# Altium PCB PCB1.PcbDoc
Units mm, origin at the board's own origin, x right, y up, seen from the top; angles counter-clockwise.
Board outline 48.61 x 50.25 mm, 2 copper layers (Top Layer, Bottom Layer); 62 components, 47 nets, 294 pads, 52 vias.
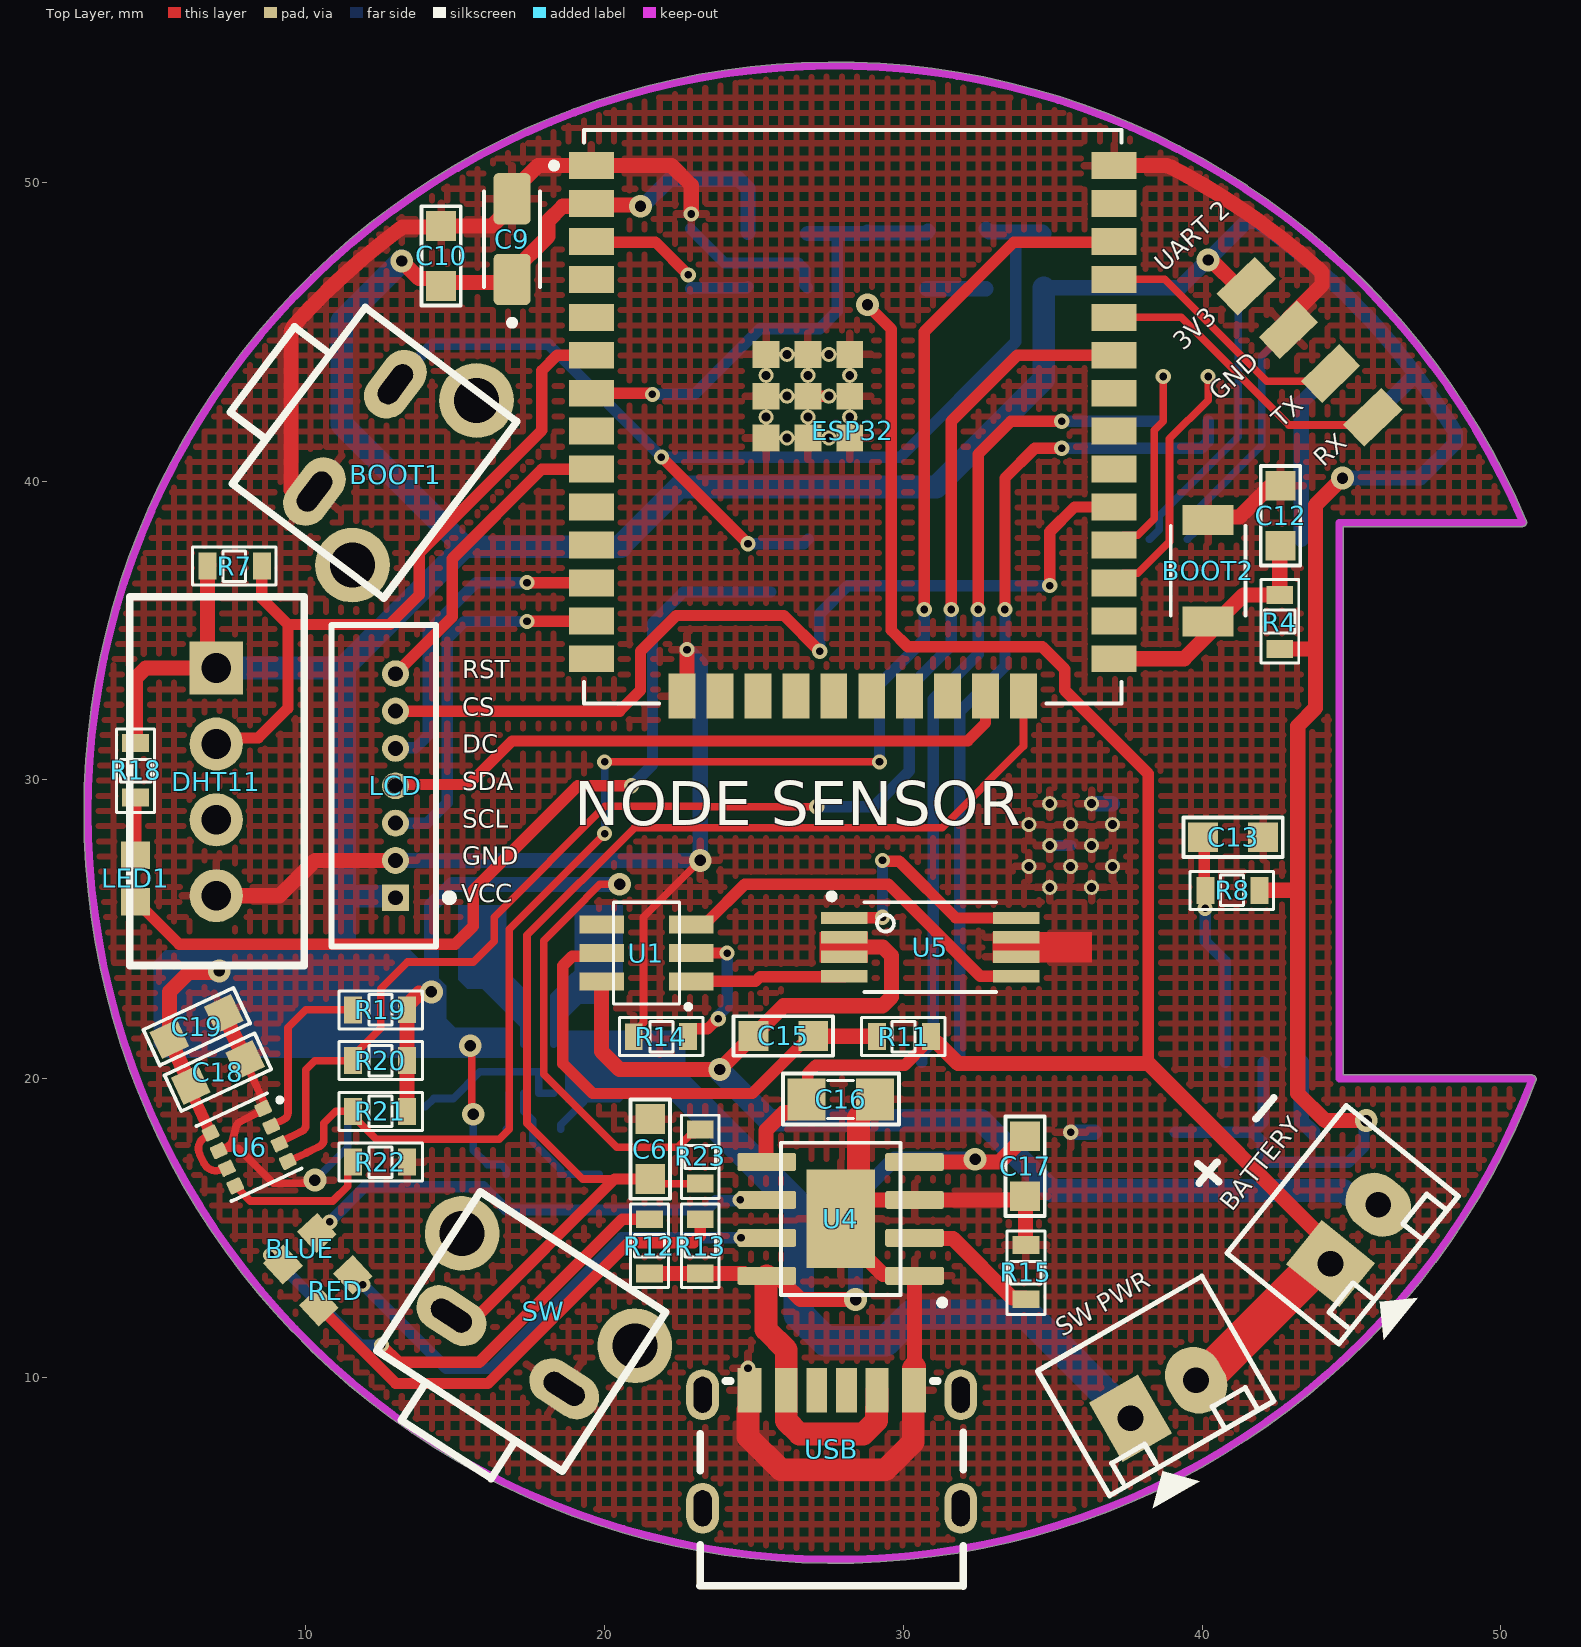
[diagram p0: Top Layer view]
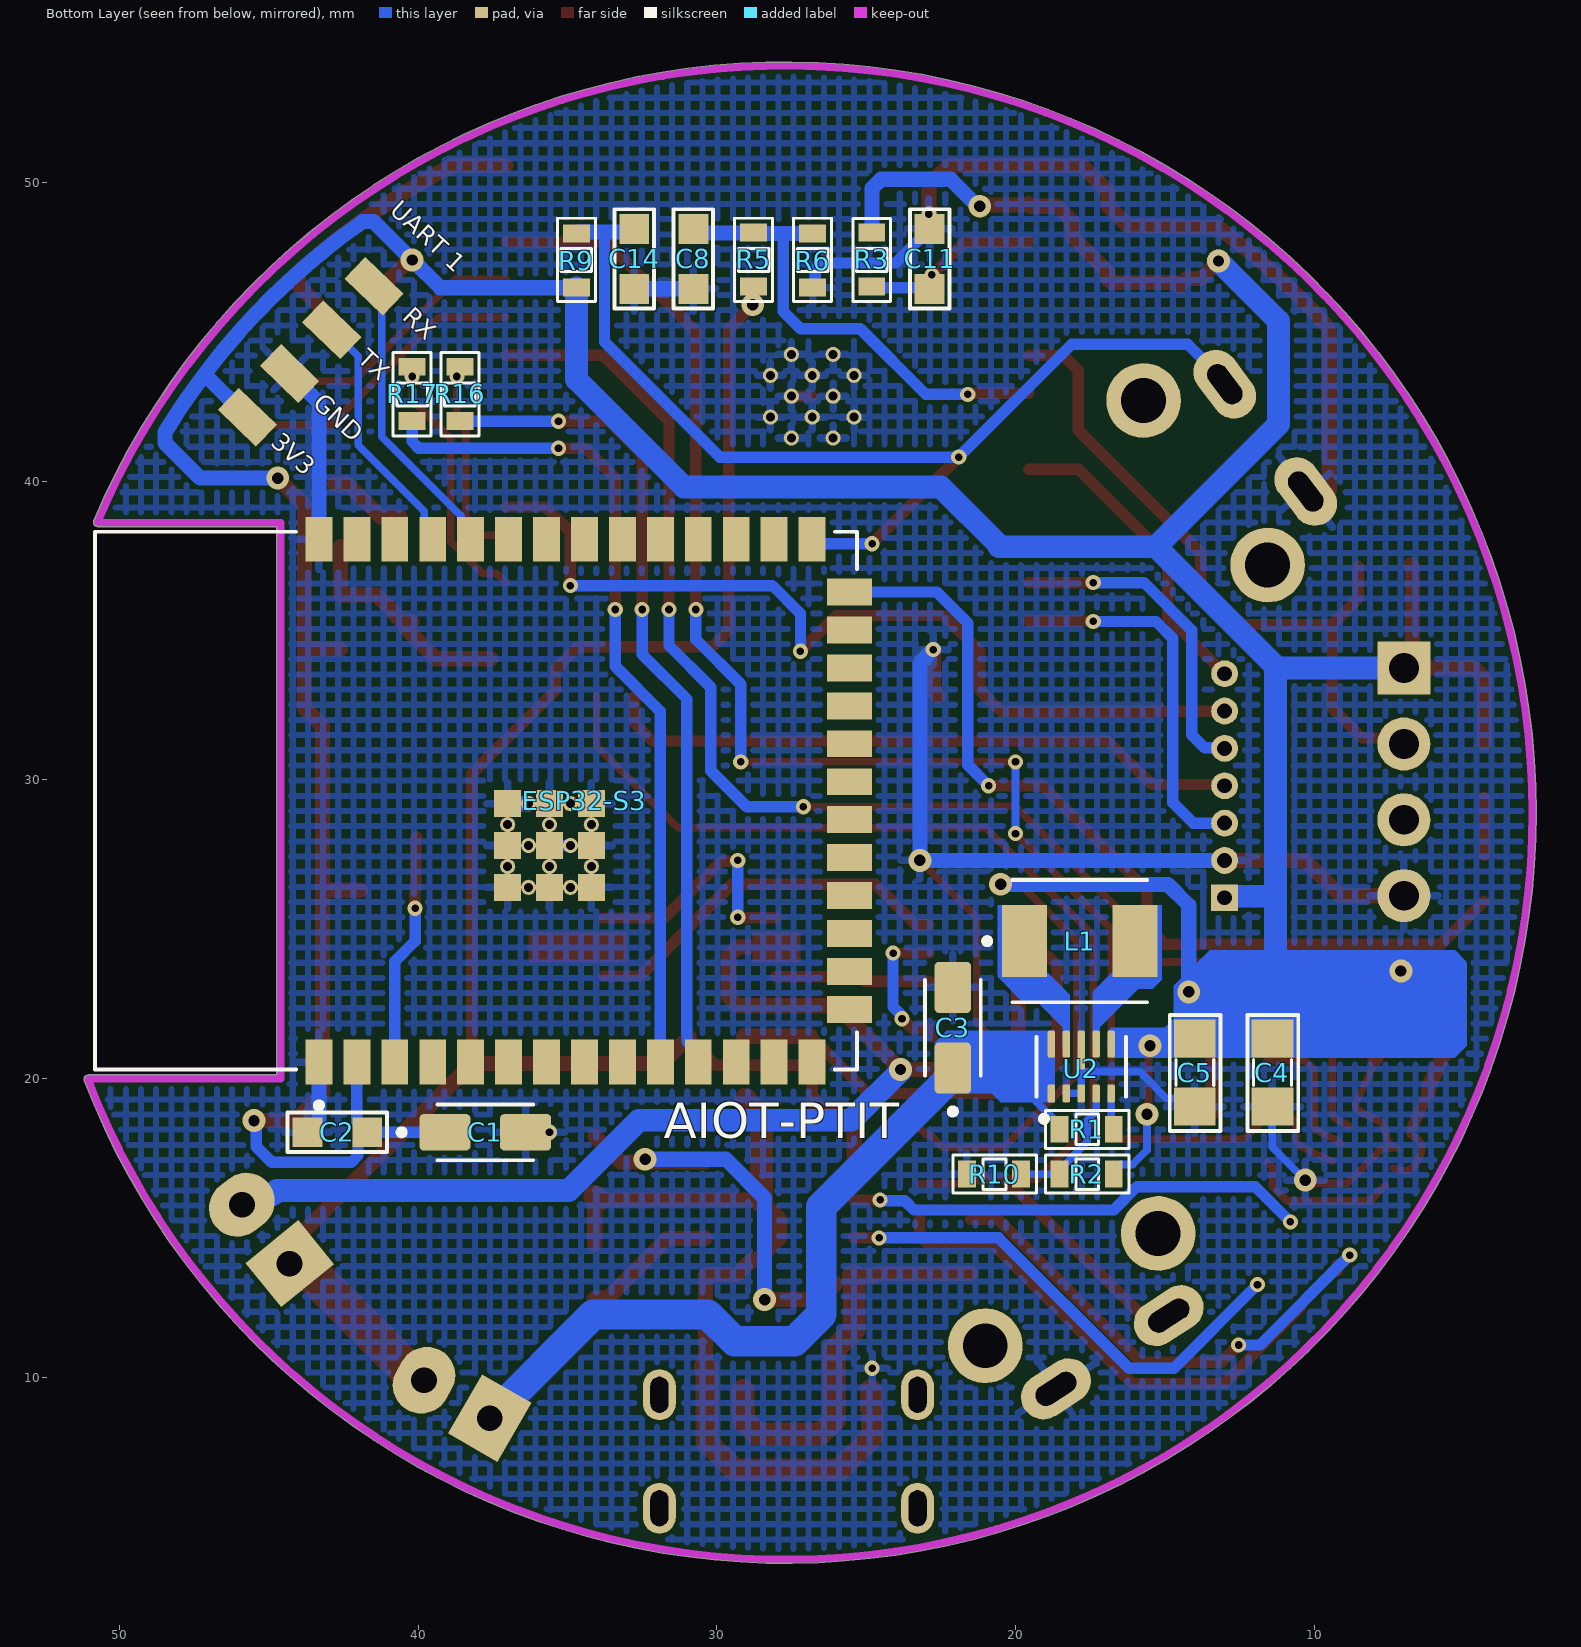
[diagram p1: Bottom Layer view, seen from below]

## Layer stack, top to bottom
Top Solder: solder mask 0.0102, Solder Resist, Dk 3.5
Top Layer: signal copper 0.0356
Dielectric 1: dielectric 0.32, FR-4, Dk 4.8
Bottom Layer: signal copper 0.0356
Bottom Solder: solder mask 0.0102, Solder Resist, Dk 3.5

## Board outline
44.727,20.127 51,20.127 cw(c51,20) 51.071,20.106 cw(c51.054,19.979) 51.182,19.979 cw(c51.054,19.979) 51.173,19.934 cw(c27.7,28.9) 50.853,38.664 cw(c50.735,38.615) 50.863,38.615 cw(c50.735,38.615) 50.767,38.491 cw(c50.7,38.6) 50.7,38.473 44.727,38.473

## Design rules (kind name [scope] priority, off if disabled: settings)
Clearance Clearance_Power [InNetClass('Power') vs InNetClass('Power')] p1: gap=0.127 ignorepadtopadclearanceinfootprint=FALSE
Clearance Clearance_Signal [All] p2: gap=0.127 ignorepadtopadclearanceinfootprint=FALSE
PolygonConnect [All] p1: connectstyle=Relief reliefconductorwidth=0.254 reliefentries=4 polygonreliefangle="90 Angle" airgapwidth=0.254
RoutingVias RoutingVias_Power [InNetClass('Power')] p1: holewidth=0.381 width=0.762 viastyle="Through Hole" minholewidth=0.381 minwidth=0.762 maxholewidth=0.381 maxwidth=0.762
RoutingVias RoutingVias_Signal [All] p2: holewidth=0.254 width=0.508 viastyle="Through Hole" minholewidth=0.254 minwidth=0.508 maxholewidth=0.254 maxwidth=0.508
SolderMaskExpansion [All] p1: expansion=0.102 istentingtop=FALSE
Width Width_Power [InNetClass('Power')] p1: maxlimit=1.778 minlimit=0.254 preferedwidth=0.508
Width Width_Signal [All] p2: maxlimit=0.762 minlimit=0.254 preferedwidth=0.508
30 further rules are at their usual default settings.

## Classes and differential pairs
net class Power: 3V3 5V B+ B- GND VBUS

## Components (designator, comment, footprint, x,y, rotation, side; value= is the part's Value field where it differs from the comment)
BATTERY "Header2" Header2 44.3,13.8 r51 top
BLUE "LED" LED-0603 9.8,14.3 r43 top value="LED 3 - 5 ly 2 Colour"
BOOT1 "SW" "TACTILE SWITCH TC-0203" 11.7,41.4 r233 top value="Button chip 4 pin"
BOOT2 "SW-SMD" SW_B3U-1000P 40.2,37 r90 top
C1 "CAP_TANTALUM_SMD" CAP_TANTALUM_3216 37.75,18.2 r180 bottom
C2 "100nF" C-0603 42.665,18.175 r180 bottom value=103
C3 "10uF/16V" CAP_TANTALUM_3216 22.1,21.7 r90 bottom
C4 "22uF" SM-0805 11.4,20.2 r90 bottom value=103
C5 "100nF" SM-0805 14,20.2 r90 bottom value=103
C6 "100nF" C-0603 21.5,17.6 r270 top value=103
C8 "100nF" C-0603 30.759,47.476 r90 bottom value=103
C9 "CAP_TANTALUM_SMD" CAP_TANTALUM_3216 16.9,48.1 r90 top
C10 "100nF" C-0603 14.5,47.5 r270 top value=103
C11 "100nF" C-0603 22.9,47.4 r270 bottom value=103
C12 "100nF" C-0603 42.6,38.8 r270 top value=103
C13 "100nF" C-0603 41,28.1 r180 top value=103
C14 "100nF" C-0603 32.736,47.476 r90 bottom value=103
C15 "100nF" C-0603 26.018,21.4 r0 top value=103
C16 "10uF" SM-0805 27.9,19.3 r180 top value=103
C17 "100nF" C-0603 34.1,17.1 r90 top value=103
C18 "1uF" C-0603 7.1,20.2 r25 top value=103
C19 "100nF" C-0603 6.387,21.732 r25 top value=103
DHT11 "DHT11" DHT11 7,33.74 r270 top
ESP32 "ESP32" ESP32-WROOM-32U 28.305,42.15 r0 top
ESP32-S3 "ESP32-S3-WROOM" ESP32-S3-WROOM-1 38.06,29.3 r90 bottom
L1 "150mH" INDUCTOR_SMD_4X4MM 17.85,24.6 r180 bottom value="150 mH"
LCD "JP7" 653007114822 12.6,29.8 r270 top value="Connector 7"
LED1 "LED" LED-0603 4.3,26.7 r270 top value="LED 3 - 5 ly 2 Colour"
R1 "100K" RES-SMD-0603 17.6,18.3 r0 bottom
R2 "511K" RES-SMD-0603 17.6,16.8 r0 bottom
R3 "10K" RES-SMD-0603 24.813,47.4 r90 bottom
R4 "10K" RES-SMD-0603 42.6,35.3 r270 top
R5 "100K" RES-SMD-0603 28.768,47.4 r90 bottom
R6 "100K" RES-SMD-0603 26.79,47.4 r270 bottom
R7 "10K" RES-SMD-0603 7.6,37.15 r0 top
R8 "10K" RES-SMD-0603 41,26.3 r0 top
R9 "10K" RES-SMD-0603 34.7,47.4 r270 bottom
R10 "91K" RES-SMD-0603 20.7,16.8 r0 bottom
R11 "100R" RES-SMD-0603 30,21.4 r0 top
R12 "1K" RES-SMD-0603 21.5,14.4 r270 top
R13 "1K" RES-SMD-0603 23.2,14.4 r270 top
R14 "1K" RES-SMD-0603 21.9,21.4 r180 top
R15 "1.2K" RES-SMD-0603 34.1,13.5 r90 top
R16 "1K" RES-SMD-0603 38.6,42.9 r90 bottom
R17 "1K" RES-SMD-0603 40.2,42.9 r90 bottom
R18 "1K" RES-SMD-0603 4.3,30.3 r90 top
R19 "10K" RES-SMD-0603 12.5,22.3 r180 top
R20 "10K" RES-SMD-0603 12.5,20.6 r180 top
R21 "10K" RES-SMD-0603 12.5,18.9 r180 top
R22 "10K" RES-SMD-0603 12.5,17.2 r180 top
R23 "10K" RES-SMD-0603 23.2,17.373 r90 top
RED "LED" LED-0603 11,12.9 r43 top value="LED 3 - 5 ly 2 Colour"
SW "SW" "TACTILE SWITCH TC-0203" 16.8,10.9 r327 top value="Button chip 4 pin"
"SW PWR" "Header2" Header2 37.6,8.63 r30 top
U1 "DW01A" SOT23-6 21.4,24.2 r180 top
U2 "TPS63802DLAR" TPS63802DLAR 17.8,20.4 r90 bottom
U4 "TP4056" SOP127P600X175-9N 27.9,15.3 r180 top
U5 "FS8025A" TSSOP-8 30.9,24.4 r0 top
U6 "BME280" "BME280 SENSOR" 8.1,17.7 r25 top
"UART 1" "Header4" PAD_4 43.594,44.331 r314 bottom (schematic designator UART_1)
"UART 2" "Header4" PAD_4 43.594,44.331 r134 top (schematic designator UART_2)
USB "USB TYPE C 6P" TYPE-C-SMD_TYPE-C-6P_C9900001460 27.6,6.6 r0 top

## Footprints (in the part's own frame and the unit in brackets; to place one, negate y for a bottom-side part, rotate by r counter-clockwise, add the part's x,y. Pads: shape width x height; smd on the part's side, far side on the other; paste and mask are expansions set on the pad)
653007114822 [mm] "1.25mm Male Vertical Shrouded Header, 7p"
  rect 0.9x0.9 hole 0.5: 1(3.75,0.4)
  round 0.9 hole 0.5: 2(2.5,0.4) 3(1.25,0.4) 4(0,0.4) 5(-1.25,0.4) 6(-2.5,0.4) 7(-3.75,0.4)
  silkscreen extent -5.38,-1.75 5.38,2.32, body extent -5.25,-1.6 5.25,1.6, height 4.23
"BME280 SENSOR" [mm]
  rrect25% 0.49x0.45 smd: 1(0.97,0.975) 2(0.97,0.325) 3(0.97,-0.325) 4(0.97,-0.975) 5(-0.97,-0.975) 6(-0.97,-0.325) 7(-0.97,0.325) 8(-0.97,0.975)
  silkscreen extent -1.3,-1.39 1.65,1.39, body extent -1.25,-1.25 1.25,1.25, height 1
C-0603 [mm] "Chip Capacitor; Body 1.6 x 0.8 mm (LxW typ)"
  rect 1x1 smd: 1(-1.041,0.025) 2(0.965,0.025)
  silkscreen extent -1.7,-0.64 1.63,0.69, body extent -0.82,-0.38 0.78,0.42, height 0.8
CAP_TANTALUM_3216 [mm]
  rrect25% 1.71x1.23 smd: 1(-1.35,0) 2(1.35,0)
  silkscreen extent -2.9,-0.93 1.6,0.93, body extent -1.6,-0.8 1.6,0.8, height 1.8
DHT11 [mil]
  rect 70x70 hole 39.37 unplated: 1(0,0)
  round 70 hole 39.37 unplated: 2(100,0) 3(200,0)
  round 70 hole 39.37 unplated mask+4: 4(300,0)
  silkscreen extent -94,-114 392,116, body extent -87,-107 385,110, height 699
ESP32-S3-WROOM-1 [mm]
  rect 1.5x0.9 smd: 1(-8.75,5.26) 2(-8.75,3.99) 3(-8.75,2.72) 4(-8.75,1.45) 5(-8.75,0.18) 6(-8.75,-1.09) 7(-8.75,-2.36) 8(-8.75,-3.63) 9(-8.75,-4.9) 10(-8.75,-6.17) 11(-8.75,-7.44) 12(-8.75,-8.71) 13(-8.75,-9.98) 14(-8.75,-11.25) 27(8.75,-11.25) 28(8.75,-9.98) 29(8.75,-8.71) 30(8.75,-7.44) 31(8.75,-6.17) 32(8.75,-4.9) 33(8.75,-3.63) 34(8.75,-2.36) 35(8.75,-1.09) 36(8.75,0.18) 37(8.75,1.45) 38(8.75,2.72) 39(8.75,3.99) 40(8.75,5.26)
  rect 0.9x1.5 smd: 15(-6.985,-12.5) 16(-5.715,-12.5) 17(-4.445,-12.5) 18(-3.175,-12.5) 19(-1.905,-12.5) 20(-0.635,-12.5) 21(0.635,-12.5) 22(1.905,-12.5) 23(3.175,-12.5) 24(4.445,-12.5) 25(5.715,-12.5) 26(6.985,-12.5)
  rect 0.9x0.9 smd: 41(-2.9,-3.86) 41(-2.9,-2.46) 41(-2.9,-1.06) 41(-1.5,-1.06) 41(-1.5,-3.86) 41(-1.5,-2.46) 41(-0.1,-3.86) 41(-0.1,-1.06) 41(-0.1,-2.46)
  round 0.508 hole 0.3 mask+0: 41(-2.9,-3.16) 41(-2.9,-1.76) 41(-2.2,-1.06) 41(-2.2,-3.86) 41(-2.2,-2.46) 41(-1.5,-1.76) 41(-1.5,-3.16) 41(-0.8,-3.86) 41(-0.8,-1.06) 41(-0.8,-2.46) 41(-0.1,-3.16) 41(-0.1,-1.76)
  silkscreen extent -10.3,-12.75 9,12.75, body extent -9,-12.8 9,12.7, height 3.25
ESP32-WROOM-32U [mm]
  rect 1.5x0.9 smd: 1(-8.75,8.41) 2(-8.75,7.14) 3(-8.75,5.87) 4(-8.75,4.6) 5(-8.75,3.33) 6(-8.75,2.06) 7(-8.75,0.79) 8(-8.75,-0.48) 9(-8.75,-1.75) 10(-8.75,-3.02) 11(-8.75,-4.29) 12(-8.75,-5.56) 13(-8.75,-6.83) 14(-8.75,-8.1) 25(8.75,-8.1) 26(8.75,-6.83) 27(8.75,-5.56) 28(8.75,-4.29) 29(8.75,-3.02) 30(8.75,-1.75) 31(8.75,-0.48) 32(8.75,0.79) 33(8.75,2.06) 34(8.75,3.33) 35(8.75,4.6) 36(8.75,5.87) 37(8.75,7.14) 38(8.75,8.41)
  rect 0.9x1.5 smd: 15(-5.715,-9.35) 16(-4.445,-9.35) 17(-3.175,-9.35) 18(-1.905,-9.35) 19(-0.635,-9.35) 20(0.635,-9.35) 21(1.905,-9.35) 22(3.175,-9.35) 23(4.445,-9.35) 24(5.715,-9.35)
  rect 0.9x0.9 smd: 39(-2.9,-0.71) 39(-2.9,0.69) 39(-2.9,2.09) 39(-1.5,-0.71) 39(-1.5,0.69) 39(-1.5,2.09) 39(-0.1,-0.71) 39(-0.1,0.69) 39(-0.1,2.09)
  round 0.508 hole 0.3 mask+0: 39(-2.9,-0.01) 39(-2.9,1.39) 39(-2.2,-0.71) 39(-2.2,0.69) 39(-2.2,2.09) 39(-1.5,-0.01) 39(-1.5,1.39) 39(-0.8,-0.71) 39(-0.8,0.69) 39(-0.8,2.09) 39(-0.1,-0.01) 39(-0.1,1.39)
  silkscreen extent -10.1,-9.6 9,9.6, body extent -9,-9.6 9,9.6, height 3.35
Header2 [mil] "CON2"
  rect 75x90 hole 34: 1(0,0)
  oval 75x90 hole 34: 2(100,0)
  silkscreen extent -75,-118 175,115, body extent -68,-70 168,107, height 236
INDUCTOR_SMD_4X4MM [mm]
  rect 1.5x2.4 smd: 1(-1.85,0) 2(1.85,0)
  silkscreen extent -3.2,-2.05 2.25,2.05, body extent -2.25,-2.05 2.25,2.05, height 2.4
LED-0603 [mm]
  rect 0.92x0.97 smd: 1(-0.775,0) 2(0.775,0)
  body extent -0.8,-0.4 0.8,0.4, height 0.6
PAD_4 [mil]
  rect 40x70 smd: 1(-120,0) 2(-40,0) 3(40,0) 4(120,0)
RES-SMD-0603 [mm]
  rect 0.6x0.9 smd: 1(-0.889,0) 2(0.927,0)
  silkscreen extent -1.4,-0.64 1.4,0.64, body extent -0.8,-0.4 0.8,0.4, height 0.43
SM-0805 [mil] "Compoment SMD 80x50mil"
  rect 50x55 smd: 1(-45,0) 2(45,0)
  silkscreen extent -77,-34 76,33, body extent -40,-27 40,23, height 24
SOP127P600X175-9N [mm]
  rrect25% 1.97x0.6 smd: 1(-2.475,1.905) 2(-2.475,0.635) 3(-2.475,-0.635) 4(-2.475,-1.905) 5(2.475,-1.905) 6(2.475,-0.635) 7(2.475,0.635) 8(2.475,1.905)
  rect 2.286x3.302 smd paste-3: 3(0,0)
  silkscreen extent -3.5,-2.55 2,2.9, body extent -3,-2.45 3,2.45, height 1.75
SOT23-6 [mm] "SOT23, 5-Leads, Body 3.0x3.0mm (max), Pitch 0.95mm, IPC Medium Density"
  rect 1.5x0.6 smd: 1(-1.5,0.95) 2(-1.5,0) 3(-1.5,-0.95) 4(1.5,-0.95) 5(1.5,0) 6(1.5,0.95)
  silkscreen extent -1.48,-1.7 1.1,1.87, body extent -1.75,-1.52 1.75,1.53, height 1.45
SW_B3U-1000P [mm]
  rect 1x1.7 smd: 1(-1.7,0) 2(1.7,0)
  silkscreen extent -1.5,-1.25 1.5,1.25, body extent -2,-1.25 2,1.25, height 1.75
"TACTILE SWITCH TC-0203" [mm]
  oval 2.5x1.5 hole 0.7 slot 1.5 at 0 deg: 1(-2.25,-0.075) 2(2.25,-0.075)
  round 2.5 hole 1.5: 3(3.45,2.425) 4(-3.45,2.425)
  silkscreen extent -3.7,-3.92 3.7,3.93, body extent -4.2,-3.96 4.3,3.94, height 7.4
TPS63802DLAR [mm]
  rrect40% 0.6x0.25 smd mask+0: 1(-0.9,1) 2(-0.9,0.5) 3(-0.9,0) 4(-0.9,-0.5) 5(-0.9,-1)
  rrect40% 0.9x0.25 smd mask+0: 6(0.75,-1) 7(0.75,-0.5) 9(0.75,0.5) 10(0.75,1)
  rrect40% 1.3x0.25 smd paste-2 mask+0: 8(0.55,0)
  silkscreen extent -1.85,-1.5 1,1.5, body extent -1,-1.5 1,1.5, height 1
TSSOP-8 [mm]
  rect 1.56x0.41 smd: 1(-2.88,0.975) 2(-2.88,0.325) 3(-2.88,-0.325) 4(-2.88,-0.975) 5(2.88,-0.975) 6(2.88,-0.325) 7(2.88,0.325) 8(2.88,0.975)
  silkscreen extent -3.4,-1.5 2.2,1.8, body extent -3.2,-1.5 3.2,1.5, height 1.23
TYPE-C-SMD_TYPE-C-6P_C9900001460 [mm]
  oval 1.1x1.7 hole 0.6 slot 1.2 at 90 deg: 0(-4.32,-0.986) 0(-4.32,2.814) 0(4.32,-0.986) 0(4.32,2.814)
  rect 0.7x1.5 smd: A5(-0.5,2.964) B5(0.5,2.964)
  rect 0.76x1.5 smd: A9(1.52,2.964) B9(-1.52,2.964)
  rect 0.8x1.5 smd: A12(2.75,2.964) B12(-2.75,2.964)
  silkscreen extent -4.41,-3.59 4.41,3.27, body extent -4.44,-3.61 4.5,3.29, height 3.26

## Part data
BATTERY "SW PWR": "Header IDC, 2 x 1 Pin Vertical 2.54mm Pitch (Non-Boxed, Male)", Manufacturer="W¨¹rth Elektronik eiSos GmbH", partNo=613002143121, ComponentLink1 Description=Manufacturer, ComponentLink1URL=http://www.we-online.com, ComponentLink2 Description=Datasheet, ComponentLink2URL=http://katalog.we-online.de/em/datasheet/6130xx143121.pdf, Created by="Karrer Zheng", Created Date="29 March 2013", NoPins=02
BLUE LED1 RED: library part "LED SMD"
BOOT1 SW: library part SW4-DIP, "Switch button 4 pin"
BOOT2: "Switch", LatestRevisionDate=17-Jul-2002, LatestRevisionNote="Re-released for DXP Platform.", PackageReference=SPST-2, Published=24-Mar-1999, Publisher="Altium Limited"
C1 C9: "Capacitor, Tantalum", Package="1411 AVX Corporation", Check_prices=https://www.snapeda.com/parts/TAJB475K025RNJ/AVX/view-part/?ref=eda, MF=AVX, MP=TAJB475K025RNJ, SnapEDA_Link=https://www.snapeda.com/parts/TAJB475K025RNJ/AVX/view-part/?ref=snap
C2 C4 C5 C6 C8 C10 C11 C12 C13 C14 C15 C16 C17 C18 C19: library part CM, "Cap SMD"
C3: library part CAP_TANTALUM_SMD, "Capacitor, Tantalum", Package="1411 AVX Corporation", Check_prices=https://www.snapeda.com/parts/TAJB475K025RNJ/AVX/view-part/?ref=eda, MF=AVX, MP=TAJB475K025RNJ, SnapEDA_Link=https://www.snapeda.com/parts/TAJB475K025RNJ/AVX/view-part/?ref=snap
DHT11: Manufacturer="W¨¹rth Elektronik eiSos GmbH", partNo=613004143121, ComponentLink1 Description=Manufacturer, ComponentLink1URL=http://www.we-online.com, ComponentLink2 Description=Datasheet, ComponentLink2URL=http://katalog.we-online.de/em/datasheet/6130xx143121.pdf, Created by="Karrer Zheng", Created Date="29 March 2013", NoPins=04
ESP32: library part ESP-WROOM-32
ESP32-S3: Package=None, Availability=Unavailable, MF="{'manufacturer': u'Espressif Systems'}", MP=ESP32-S3-WROOM-1-N8, Price=None
L1: library part Inductor_SMD, "Inductor"
LCD: library part Header7, "Connector 7"
R1 R2 R3 R4 R5 R6 R7 R8 R9 R10 R11 R12 R13 R14 R15 R16 R17 R18 R19 R20 R21 R22 R23: library part Res-SMD, "Resistor", Manufacturer="Generic Components", Class=Passive, Published=08/06/2000, Publisher="Altium Hobart Technology Centre"
U1: "One Cell Lithium-ion/Polymer Battery Protection IC", Package="SOT-23-6 Fortune Semiconductor", Check_prices=https://www.snapeda.com/parts/DW01A/Fortune+Semiconductor/view-part/?ref=eda, MF="Fortune Semiconductor", MP=DW01A, SnapEDA_Link=https://www.snapeda.com/parts/DW01A/Fortune+Semiconductor/view-part/?ref=snap
U2: "2-A, high-efficient, 11-ÂµA quiescent current buck-boost converter in QFN/DFN package", Package="VSON-HR-10 Texas Instruments", Availability="In Stock", Check_prices=https://www.snapeda.com/parts/TPS63802DLAR/Texas+Instruments/view-part/?ref=eda, MF="Texas Instruments", MP=TPS63802DLAR, Price=None, Purchase-URL=https://pricing.snapeda.com/search/part/TPS63802DLAR/?ref=eda, SnapEDA_Link=https://www.snapeda.com/parts/TPS63802DLAR/Texas+Instruments/view-part/?ref=snap
U4: "Complete single cell Li-Ion battery with a constant current / constant voltage linear charger", Package=Package, Availability="Not in stock", Check_prices=https://www.snapeda.com/parts/TP4056/NanJing+Top+Power+ASIC+Corp./view-part/?ref=eda, MF="NanJing Top Power ASIC Corp.", MP=TP4056, Price=None, SnapEDA_Link=https://www.snapeda.com/parts/TP4056/NanJing+Top+Power+ASIC+Corp./view-part/?ref=snap
U5: "MOSFET N-2CH TSSOP-8", Package=None, Availability=Unavailable, MP=M24C64-DFDW6TP, Price=None
U6: "DIGITAL HUMIDITY, PRESSURE AND TEMPERATURE SENSOR<br>* Digital interface IÂ²C (up to 3.4 MHz) and SPI (3 and 4 wire, up to 10 MHz)* Supply voltage VDD main supply voltage range: 1.71 V to 3.6 V*VDDIO interface voltage range: 1.2 V to 3.6 V<br> Operating range -40â€", Package=None, Availability=Unavailable, MP=BME280, Price=None
"UART 1" "UART 2": "Header IDC, 4 x 1 Pin Vertical 2.54mm Pitch (Non-Boxed, Male)", Manufacturer="W¨¹rth Elektronik eiSos GmbH", partNo=613002143121, ComponentLink1 Description=Manufacturer, ComponentLink1URL=http://www.we-online.com, ComponentLink2 Description=Datasheet, ComponentLink2URL=http://katalog.we-online.de/em/datasheet/6130xx143121.pdf, Created by="Karrer Zheng", Created Date="29 March 2013", NoPins=02
USB: "UJC-HP-3-SMT-TR"

## Via types
v1: diameter 0.508, hole 0.254, Top Layer to Bottom Layer, tented both sides, 35 vias
v2: diameter 0.762, hole 0.381, Top Layer to Bottom Layer, tented both sides, 16 vias
v3: diameter 0.508, hole 0.254, Top Layer to Bottom Layer, 1 vias

## Nets (pads, with @x,y where several pads share a name; then routed paths per layer and width w, separated by ;. In a path a pad name is that pad's centre, name@x,y a point inside that pad or via, vN(x,y) a via of type N, cw(c..) or ccw(c..) an arc to the next point about the centre after c; other vN are vias at no path point)
3V3: "UART 1.4" "UART 2.4" C1.1 C2.2 C4.2 C5.2 C9.1 C10.2 C18.1 C19.1 DHT11.1 ESP32-S3.2 ESP32.2 LCD.1 R2.1 R3.2 R4.2 R7.1 R8.2 R9.2 R18.2 R19.1 R20.1 R21.1 R23.2 U2.6 U6.6 U6.8 | length 191
  Top Layer w0.254: U6.8 6.72,18.084 6.656,18.054 ccw(c6.841,17.658) 6.445,17.473 6.588,17.167 ccw(c6.984,17.352) 7.168,16.955 7.233,16.986 7.259,16.978 U6.6 ; v2(15.5,21.1) 15.55,21.05 15.55,18.85 v2(15.6,18.8) ; v2(20.5,26.5) 19.841,26.5 18.896,25.555 17.955,24.615 17.955,20.145 20.4,17.7 22.45,17.7 22.877,18.127 23,18.127 23.173,18.3 R23.2
  Top Layer w0.381: C18.1@6.178,19.527 6.703,18.401
  Top Layer w0.508: R18.2 4.3,33.4 4.64,33.74 DHT11.1 6.711,34.029 R7.1 R7.1@6.757,37.196 ; C18.1@6.178,19.527 C18.1 6.042,20.006 5.535,21.092 C19.1 5.433,22.906 6.078,23.551 7.051,23.551 v2(7.1,23.6) ; v2(13.205,47.366) 13.79,46.781 14.279,46.781 C10.2 14.633,46.642 16.792,46.642 C9.1 16.9,46.99 18.1,48.19 18.1,48.702 18.598,49.2 19.465,49.2 ESP32.2 19.6,49.245 21.155,49.245 v2(21.2,49.2) ; R21.1 R20.1 R19.1 13.389,22.45 13.79,22.851 ; v2(40.2,47.4) 40.249,47.351 40.349,47.351 41.177,46.523 41.477,46.523 ; R8.2 43.1,26.3 43.2,26.2 ; R4.2 43.773,34.373 43.8,34.4 ; v2(44.7,40.1) 43.8,39.2 43.8,34.4 ; v2(45.491,18.591) 44.109,18.591 43.2,19.5 43.2,26.2 ; 43.2,26.2 43.2,31.8 43.8,32.4 43.8,34.4
  Bottom Layer w0.254: 12.6,21.4 12.7,21.3 ; C5.2 15.257,21.343 v2(15.5,21.1) ; v2(15.6,18.8) 15.6,17.602 16.079,17.123 16.538,17.123 16.711,16.95 R2.1 ; U2.6@16.798,21.343 16.8,21.341 U2.6
  Bottom Layer w0.381: C1.1 C2.2 ; ESP32-S3.2 42.05,18.55 C2.2 ; v2(45.491,18.591) 45.418,18.518 45.418,17.718 44.9,17.2 42.233,17.2 42.01,17.423 42.01,17.89 C2.2
  Bottom Layer w0.508: C5.2 14,22.631 14.2,22.831 v2(14.2,22.9) 14.2,25.8 14.9,26.5 v2(20.5,26.5) ; v2(21.2,49.2) 21.269,49.2 22.169,50.1 24.503,50.1 24.8,49.802 R3.2@24.8,48.327 ; R9.2 39.257,46.473 40.184,47.4 v2(40.2,47.4) 41.454,48.654 cw(c41.673,48.437) 41.49,48.685 41.857,48.685 cw(c28.364,29.413) 46.983,43.794 cw(c27.7,28.9) 48.475,41.63 48.475,41.275 47.3,40.1 v2(44.7,40.1) ; 45.712,42.138 47.14,43.566
  Bottom Layer w0.762: DHT11.1 11.16,33.74 ; 11.3,24 11.3,26.1 ; C4.2 C4.2@11.5,21.443 ; LCD.1 12.95,26.1 11.3,26.1 ; v2(13.205,47.366) 11.2,45.362 11.2,41.9 15.3,37.8 ; 20.557,37.8 15.3,37.8 ; 20.557,37.857 22.5,39.8 31.1,39.8 34.7,43.4 R9.2 ; 11.3,26.1 11.3,33.8 15.3,37.8
5V: C17.2 R12.2 R13.2 U4.4 U4.8 USB.A9 USB.B9 | length 28.2
  Top Layer w0.508: R12.2 R13.2 24.662,13.473 24.74,13.395 U4.8 ; U4.8@26.029,13.127 26.556,12.6 v2(28.4,12.6) ; U4.4 32.236,17.205 32.331,17.3 v2(32.4,17.3) ; v2@32.351,17.205 33.214,17.205 C17.2
  Top Layer w0.762: U4.8 25.4,13.37 25.4,11.6 26.08,10.92 USB.B9 26.08,8.546 26.526,8.1 28.654,8.1 29.1,8.546 29.1,8.951 29.119,8.97 29.119,9.563 USB.A9
  Bottom Layer w0.508: v2(28.4,12.6) 28.4,16 29.7,17.3 v2(32.4,17.3)
B+: "SW PWR.2" BATTERY.1 C16.2 R5.1 R11.2 U4.5 | length 63.3
  Top Layer w0.381: C16.2 26.8,19.343 26.8,20.177 27.066,20.443 30.043,20.443 R11.2@30.741,21.141 ; v2@28.8,45.884 29.6,45.084 29.6,35 30.147,34.453 34.647,34.453 35.4,33.7 35.4,33 38.2,30.2 38.2,20.5
  Top Layer w0.508: U4.5 25.425,17.226 25.4,17.251 25.4,18.267 25.989,18.856 26.376,18.856 26.757,19.237 C16.2 ; v2@28.8,45.884 v2(28.8,45.9) ; R11.2 30.927,21.25 30.973,21.204 31.123,21.204 31.827,20.5 38.2,20.5 44.3,14.4 BATTERY.1
  Top Layer w1.27: 39.9,10.07 40.17,10.07 43.9,13.8 BATTERY.1
  Bottom Layer w1.27: BATTERY.1@44,13.8 BATTERY.1
B-: BATTERY.2 C15.1 U1.6 U5.2 U5.3 | length 40.8
  Top Layer w0.508: U1.6 19.9,20.9 20.5,20.3 v2(23.851,20.3) 25.985,22.433 29.302,22.433 29.6,22.731 29.6,24.108 29.308,24.4 27.6,24.4
  Bottom Layer w0.762: v2(23.851,20.3) 23.851,20.249 25.5,18.6 32.6,18.6 34.952,16.248 44.733,16.248 44.868,16.113 45.56,16.113 BATTERY.2
CS: ESP32.29 LCD.6 | length 30.4
  Top Layer w0.381: LCD.6 20.5,32.3 21.2,33 21.2,34.3 22.4,35.5 26,35.5 v1(27.2,34.3) ; v1(34.9,36.5) 34.9,38.3 35.73,39.13 ESP32.29
  Bottom Layer w0.381: v1(27.2,34.3) 27.2,35.56 28.14,36.5 v1(34.9,36.5)
DC: ESP32.12 LCD.5 | length 10.9
  Top Layer w0.381: v1(17.4,36.6) 17.405,36.595 19.55,36.595 ESP32.12
  Bottom Layer w0.381: LCD.5 13.016,31.066 13.666,31.066 14.1,31.5 14.1,35 15.7,36.6 v1(17.4,36.6)
DHT: DHT11.2 ESP32.6 R7.2 | length 23.9
  Top Layer w0.381: DHT11.2 7.2,31.4 8.4,31.4 9.4,32.4 9.4,35.2 ; R7.2 8.527,36.073 9.4,35.2 ; ESP32.6 18.41,44.21 17.9,43.7 17.9,41.7 13.8,37.6 13.8,36.2 12.8,35.2 9.4,35.2
EN_1: C13.2 ESP32-S3.3 R8.1 | length 7.8
  Top Layer w0.381: C13.2 40.073,28.037 40.073,26.338 R8.1 v3@40.111,25.7
  Bottom Layer w0.381: v3(40.1,25.7) 40.1,24.6 40.78,23.92 ESP32-S3.3
EN_2: C11.2 ESP32.3 R3.1 | length 5.7
  Top Layer w0.381: ESP32.3 19.575,48 21.7,48 v1(22.8,46.9)
  Bottom Layer w0.381: C11.2 22.913,46.473 24.762,46.473 R3.1@24.8,46.511
GND: "UART 1.3" "UART 2.3" BOOT1.2 BOOT2.2 C1.2 C2.1 C3.2 C4.1 C5.1 C6.1 C8.1 C9.2 C10.1 C11.1 C12.1 C13.1 C14.1 C16.1 C17.1 C18.2 C19.2 DHT11.4 ESP32-S3.1 ESP32-S3.40 ESP32-S3.41 ESP32.1 ESP32.15 ESP32.38 ESP32.39 LCD.2 R6.2 R10.2 R14.2 R15.2 R22.1 SW.2 U2.2 U2.3 U2.8 U4.1 U4.3 U5.6 U5.7 U6.1 U6.7 USB.A12 USB.B12 | length 133.7
  Top Layer w0.254: U6.7@7.243,17.667 7.403,17.75 ccw(c7.286,17.975) 7.53,17.905 7.672,18.4 ; 7.403,17.667 7.733,17.667 8.9,16.5 9.897,16.5 9.9,16.503 10.203,16.503 v2(10.3,16.6) ; 7.672,18.401 cw(c7.916,18.331) 7.799,18.556 8.399,18.866 cw(c8.599,18.478) 8.415,18.874 8.479,18.904 U6.1 8.629,19.131 8.093,20.28 C18.2 ; R14.2 20.973,21.55 21.146,21.723 21.151,21.723 21.3,21.872 21.3,25.4 22.501,26.601 v2(23.2,27.3)
  Top Layer w0.381: ESP32.39@26.805,42.84 ESP32.39@27.505,42.84
  Top Layer w0.508: DHT11.4 9.12,26.12 10.3,27.3 LCD.2 ; C19.2@7.126,22.289 C19.2 7.354,21.94 7.86,20.854 C18.2 ; BOOT1.2 9.552,39.648 9.5,39.7 9.5,44.906 cw(c10.008,44.905) 9.63,45.244 cw(c27.7,28.9) 13.091,48.4 13.226,48.5 14.484,48.5 C10.1 16.231,48.541 16.9,49.21 C9.2 16.9,49.69 17.77,50.56 ESP32.1 22.24,50.56 22.9,49.9 v1(22.9,48.938) ; ESP32.15 22.756,32.966 v1(22.756,34.356) ; 30.375,10.339 U4.1 ; U4.1@30.375,13.441 U4.1 ; U4.1@30.4,13.395 30.4,13.42 U4.1 ; C17.1@33.951,15.935 30.375,15.935 28.535,15.935 28.5,15.9 27.9,15.3 27.9,14.665 28.662,13.903 28.853,13.903 29.315,13.441 30.329,13.441 U4.1 ; R15.2@34.087,14.439 C17.1@34.087,16.046 ; ESP32.38 38.734,50.56 cw(c38.734,50.052) 38.968,50.503 cw(c27.696,28.893) 40.023,49.919 cw(c27.7,28.9) 43.851,47.143 43.862,47.132 cw(c43.503,46.773) 43.863,47.131 44.011,46.983 44.011,46.773 44.011,46.562 42.888,45.44 42.888,45.062 ; BOOT2.2@40.6,38.8 41.25,38.8 42.361,39.911 C12.1@42.802,39.911 ; C12.1@42.6,39.867 C12.1
  Top Layer w0.762: USB.B12 24.831,9.545 24.831,8.934 24.8,8.903 24.8,8 25.9,6.9 29.4,6.9 30.331,7.831 30.331,10.295 30.375,10.339 ; U4.3@28.5,15.9 28.5,18.694 29.043,19.237 C16.1 ; C17.1@33.951,15.935 C17.1 C17.1@34.087,16.046
  Bottom Layer w0.254: v2(10.3,16.6) 11.4,17.7 C4.1 ; C5.1 14.274,19.331 14.931,19.331 15.825,20.225 17.8,20.225 U2.3 U2.2
  Bottom Layer w0.381: C11.1 24.016,47.3 26.477,47.3 26.7,47.077 26.7,46.564 R6.2 ; ESP32-S3.41@34.9,27.8 ESP32-S3.41@35.6,27.8
  Bottom Layer w0.508: LCD.2 v2(23.2,27.3) 23.2,33.912 v1(22.756,34.356) ; C8.1 C14.1 ; v1(35.6,18.2) C1.2 ; ESP32-S3.41@36.3,29.2 ESP32-S3.41@37,29.2 ; ESP32-S3.1 43.32,18.587 C2.1 ; ESP32-S3.40 43.32,42.62 44.3,43.6
  other v1: 24.8,10.3
IO0_1: BOOT1.1 C14.2 ESP32-S3.27 R9.1 | length 36.4
  Top Layer w0.381: v1(21.9,40.8) 24.132,38.568 v1(24.8,37.9)
  Bottom Layer w0.381: BOOT1.1@12.994,43.34 14.23,44.576 18.124,44.576 v1(21.9,40.8) 29.9,40.8 33.761,44.661 33.761,48.335 ; v1(24.8,37.9) 26.66,37.9 ESP32-S3.27
  Bottom Layer w0.508: BOOT1.1 BOOT1.1@12.994,43.34 ; C14.2 32.868,48.335 33.761,48.335 34.654,48.335 R9.1
IO0_2: BOOT2.1 C12.2 ESP32.25 R4.1 | length 7.7
  Top Layer w0.508: ESP32.25@37.555,34.05 39.4,34.05 BOOT2.1@40.425,35.075 ; BOOT2.1 40.55,35.3 40.796,35.546 40.796,35.597 41.388,36.189 R4.1 C12.2@42.6,37.809
IO2_2: C6.2 ESP32.24 R23.1 SW.1 | length 41.2
  Top Layer w0.254: 20.335,16.635 19.265,16.635 17.4,18.5 17.4,24.8 21,28.4 31.3,28.4 34.02,31.12 ESP32.24 ; C6.2 21.676,16.484 R23.1
  Top Layer w0.381: SW.1 14.878,12.056 15.756,12.056 20.335,16.635 C6.2
IO21_2: ESP32.33 R20.2 U6.3 | length 47.3
  Top Layer w0.254: U6.3 9.205,17.905 9.269,17.935 ccw(c9.084,18.331) 9.279,17.94 9.8,18.2 9.86,18.23 ; 9.86,18.23 ccw(c9.746,18.457) 10,18.457 10,20.3 10.3,20.6 R20.2 11.573,20.75 12.5,21.677 12.5,23 13.4,23.9 15.6,23.9 16.3,24.6 16.3,25.4 20.008,29.108 23.291,29.108 23.299,29.1 v1(27.1,29.1)
  Top Layer w0.381: v1@31.6,35.702 31.6,42 33.81,44.21 ESP32.33
  Bottom Layer w0.381: v1(27.1,29.1) 29,29.1 30.2,30.3 30.2,33.1 31.6,34.5 v1@31.6,35.717
  other v1: 31.6,35.7
IO22_2: ESP32.36 R21.2 U6.4 | length 54.4
  Top Layer w0.254: U6.4 9.502,17.268 9.997,17.499 ccw(c9.889,17.729) 10.004,17.502 10.399,17.7 10.46,17.73 ; 10.46,17.73 ccw(c10.346,17.957) 10.6,17.957 10.6,18.5 11,18.9 R21.2 11.573,18.75 11.746,18.577 12.358,17.965 16.465,17.965 16.8,18.3 16.8,25 v1(20,28.2) ; v1(20,30.6) v1(29.2,30.6)
  Top Layer w0.381: v1(30.7,35.7) 30.7,45 33.7,48 36.495,48 ESP32.36
  Bottom Layer w0.254: v1(20,28.2) v1(20,30.6)
  Bottom Layer w0.381: v1(29.2,30.6) 29.2,33.2 30.7,34.7 v1(30.7,35.7)
IO25_2: ESP32.10
IO45_1: ESP32-S3.26 LED1.2 | length 30.2
  Top Layer w0.381: LED1.2 4.325,25.925 5.75,24.5 15,24.5 15.6,25.1 15.6,26.3 19.1,29.8 v1(20.9,29.8)
  Bottom Layer w0.381: v1(20.9,29.8) 21.6,30.5 21.6,35.25 22.635,36.285 ESP32-S3.26
NetBLUE_1: BLUE.1 R12.1 | length 16.4
  Top Layer w0.381: BLUE.1@9.233,13.567 BLUE.1 ; v1(12.534,11.079) 13.113,10.5 15.8,10.5 20.589,15.289 R12.1
  Bottom Layer w0.381: v1(8.812,14.088) 11.821,11.079 v1(12.534,11.079)
NetBLUE_2: BLUE.2 U4.6 | length 15.6
  Top Layer w0.381: v1(24.535,15.935) U4.6
  Bottom Layer w0.381: v1(10.8,15.2) 11.98,16.38 15.932,16.38 16.712,15.6 23.4,15.6 23.711,15.911 24.511,15.911 v1(24.535,15.935)
NetC15_2: C15.2 R11.1 U1.5 | length 16.5
  Top Layer w0.381: U1.5 19.791,24.091 18.918,24.091 18.6,23.772 18.6,20.5 19.6,19.5 24.94,19.5 C15.2@26.865,21.425
  Top Layer w0.508: C15.2@26.865,21.425 26.878,21.413 29.098,21.413 R11.1
NetESP32_27: ESP32.27 R17.2 | length 8.5
  Top Layer w0.254: ESP32.27 37.378,36.913 37.847,36.913 38.908,37.974 38.908,41.408 40.2,42.7 v1(40.2,43.5)
NetESP32_28: ESP32.28 R16.2 | length 6.6
  Top Layer w0.254: ESP32.28 37.378,38.183 37.847,38.183 38.4,38.736 38.4,41.696 38.7,41.996 v1(38.7,43.5)
NetL1_1: L1.1 U2.9 | length 4
  Bottom Layer w0.254: U2.9 18.3,22.75 19.7,24.15 L1.1
NetL1_2: L1.2 U2.7 | length 4
  Bottom Layer w0.254: L1.2 16,24.15 17.3,22.85 U2.7
NetLED1_1: LED1.1 R18.1 | length 1.9
  Top Layer w0.381: LED1.1 R18.1
NetR1_1: R1.1 U2.5 | length 1.2
  Bottom Layer w0.254: R1.1 16.798,18.387 16.798,19.498 U2.5
NetR2_2: R2.2 R10.1 U2.4 | length 4.5
  Bottom Layer w0.254: U2.4 17.3,18.9 17.6,18.6 17.6,17.877 18.527,16.95 R2.2 R10.1
NetR13_1: R13.1 RED.1 | length 16.4
  Top Layer w0.381: RED.1 13.013,9.792 16.092,9.792 20.8,14.5 22.977,14.5 23.2,14.723 R13.1
NetR14_1: R14.1 U1.2 | length 4.9
  Top Layer w0.381: R14.1 22.789,21.55 22.899,21.66 23.443,21.66 23.784,22 v1(23.8,22) ; U1.2 v1(24.1,24.2)
  Bottom Layer w0.381: v1(23.8,22) 23.824,22.024 23.824,22.124 24.1,22.4 v1(24.1,24.2)
NetR15_1: R15.1 U4.2 | length 4.6
  Top Layer w0.508: U4.2 30.396,14.644 31.656,14.644 33.643,12.657 34.054,12.657 R15.1
NetR19_2: R19.2 U6.2 | length 6
  Top Layer w0.254: U6.2 8.935,18.483 9.253,18.632 ; 9.254,18.632 ccw(c9.146,18.862) 9.4,18.862 9.4,21.7 10,22.3 R19.2
NetR22_2: R22.2 U6.5 | length 5.1
  Top Layer w0.254: U6.5 8.139,15.9 10.9,15.9 11.4,16.4 11.4,17.027 R22.2
NetRED_2: RED.2 U4.7 | length 16.5
  Top Layer w0.381: v1(24.565,14.665) U4.7
  Bottom Layer w0.381: v1(11.9,13.1) 14.7,10.3 16.2,10.3 20.565,14.665 v1(24.565,14.665)
NetU1_1: U1.1 U5.4 | length 5.2
  Top Layer w0.381: U1.1 25.05,23.25 25.211,23.411 28.005,23.411 U5.4
NetU1_3: U1.3 U5.5 | length 12.7
  Top Layer w0.381: U1.3 23.35,25.15 23.46,25.259 23.46,25.271 24.689,26.5 29.5,26.5 32.575,23.425 U5.5
NetU5_1: U5.1 U5.8 | length 8.5
  Top Layer w0.381: U5.1 28.032,25.388 29.288,25.388 v1(29.3,25.4) ; v1(29.3,27.3) 29.324,27.276 29.859,27.276 31.759,25.375 U5.8
  Bottom Layer w0.381: v1(29.3,25.4) v1(29.3,27.3)
PIN: C8.2 ESP32.7 R5.2 R6.1 | length 16.1
  Top Layer w0.381: ESP32.7 21.526,42.94 21.566,42.9 v1(21.6,42.9)
  Bottom Layer w0.381: v1(21.6,42.9) 23,42.9 25.2,45.1 27.2,45.1 27.781,45.681 27.781,48.289
  Bottom Layer w0.508: R6.1@26.8,48.289 27.781,48.289 28.762,48.289 28.8,48.327 28.827,48.3 30.76,48.3 C8.2@30.825,48.365
RST: ESP32.9 LCD.7 | length 10.5
  Top Layer w0.381: LCD.7 14.9,35.45 14.9,37.4 17.9,40.4 ESP32.9
RXD0_1: "UART 1.1" ESP32-S3.36 | length 9.8
  Bottom Layer w0.254: ESP32-S3.36 38.563,38.373 38.563,38.842 39.921,40.2 41.212,41.491 41.212,46.259 41.477,46.523
RXD0_2: "UART 2.1" ESP32.34 | length 10.3
  Top Layer w0.254: ESP32.34 39.302,45.48 42.905,41.877 44.883,41.877 44.886,41.874 45.151,42.138 45.712,42.138
RXD1_1: ESP32-S3.11 R16.1 | length 27.7
  Top Layer w0.381: v1@32.5,35.641 32.5,40.9 33.6,42 v1(35.3,42)
  Bottom Layer w0.381: ESP32-S3.11 30.62,20.85 30.996,21.225 30.996,21.484 31,21.489 31,32.7 32.5,34.2 v1@32.5,35.641 ; v1(35.3,42) 35.305,42.005 38.595,42.005 R16.1
  other v1: 32.5,35.7
SCL: ESP32.13 LCD.3 | length 12.6
  Top Layer w0.381: v1(17.4,35.3) 17.41,35.31 19.545,35.31 ESP32.13
  Bottom Layer w0.381: LCD.3 14.05,28.55 14.735,29.235 14.735,34.735 15.3,35.3 v1(17.4,35.3)
SDA: ESP32.23 LCD.4 | length 21.5
  Top Layer w0.381: LCD.4 13.041,29.841 15.441,29.841 16.9,31.3 32.15,31.3 32.75,31.9 ESP32.23
TXD0_1: "UART 1.2" ESP32-S3.37 | length 8.4
  Bottom Layer w0.254: ESP32-S3.37 39.795,38.335 39.795,38.995 42,41.2 42,44.173 42.888,45.062
TXD0_2: "UART 2.2" ESP32.35 | length 8.8
  Top Layer w0.254: ESP32.35 38.75,46.75 42.165,43.335 44.035,43.335 44.3,43.6
TXD1_1: ESP32-S3.10 R17.1 | length 28.2
  Top Layer w0.381: v1(33.4,35.7) 33.4,40.1 34.4,41.1 v1(35.3,41.1)
  Bottom Layer w0.381: ESP32-S3.10 31.89,32.29 33.4,33.8 v1(33.4,35.7) ; v1(35.3,41.1) 39.977,41.1 40.2,41.323 R17.1
VBUS: "SW PWR.1" C3.1 R1.2 U2.1 U2.10 | length 27
  Bottom Layer w0.254: R1.2 18.527,18.45 19.3,19.223 19.3,19.8 19.4,19.9 ; U2.1 U2.10
  Bottom Layer w1.016: C3.1 22.1,20.11 26.5,15.71 26.5,12.1 27.4,11.2 29.4,11.2 30.3,12.1 34.13,12.1 37.6,8.63
pads on no net: BOOT1.3 BOOT1.4 DHT11.3 ESP32-S3.4 ESP32-S3.5 ESP32-S3.6 ESP32-S3.7 ESP32-S3.8 ESP32-S3.9 ESP32-S3.12 ESP32-S3.13 ESP32-S3.14 ESP32-S3.15 ESP32-S3.16 ESP32-S3.17 ESP32-S3.18 ESP32-S3.19 ESP32-S3.20 ESP32-S3.21 ESP32-S3.22 ESP32-S3.23 ESP32-S3.24 ESP32-S3.25 ESP32-S3.28 ESP32-S3.29 ESP32-S3.30 ESP32-S3.31 ESP32-S3.32 ESP32-S3.33 ESP32-S3.34 ESP32-S3.35 ESP32-S3.38 ESP32-S3.39 ESP32.4 ESP32.5 ESP32.8 ESP32.11 ESP32.14 ESP32.16 ESP32.17 ESP32.18 ESP32.19 ESP32.20 ESP32.21 ESP32.22 ESP32.26 ESP32.30 ESP32.31 ESP32.32 ESP32.37 SW.3 SW.4 U1.4 USB.0 USB.A5 USB.B5

## Polygon pours and split planes (outlines as drawn)
GND on Top Layer "GND_L01_P000" (hatched 90Degree grid 0.508 track 0.203, remove dead copper, pour order 0): 50.8,38.5 44.5,38.5 44.5,20.1 52,20.1 52,1.7 1.1,1.7 1.1,55.1 50.8,55.1
GND on Bottom Layer "GND_L02_P002" (hatched 90Degree grid 0.508 track 0.203, remove dead copper, pour order 2): 51.4,38.5 44.5,38.5 44.5,20.1 51.9,20.1 51.9,1.6 0.9,1.6 0.9,48.6 0.9,55.4 51.3,55.4

## Keep-outs
Keep-Out Layer:
  lines w0.254: 50.7,38.6 44.6,38.6 44.6,20 51,20 ; 50.735,38.615 ccw(c27.7,28.9) 51.054,19.979

## Other copper
Top Layer:
  region net B-: 27.2,24.9 27.2,23.9 28.8,23.9 28.8,24.9
  region net GND: 33,24.9 33,23.9 36.3,23.9 36.3,24.9
Bottom Layer:
  region net 3V3: 5.289,24.3 13.5,24.3 14.7,23.1 14.7,22 15,21.7 16.8,21.7 16.9,21.6 16.9,20.8 16.8,20.7 5.3,20.7 4.9,21.1 4.9,23.888
  region net VBUS: 18.7,21.6 22.3,21.6 22.7,21.2 22.7,19.5 20.8,19.5 20.5,19.2 18.7,19.2
  region net NetL1_2: 15.1,25.8 15.1,23.3 15.4,23 15.9,23 17.2,21.7 17.4,21.7 17.4,22.9 16.7,23.6 16.7,25.8
  region net NetL1_1: 19,25.8 20.6,25.8 20.6,23.4 19.7,22.5 19.2,22.5 19.1,22.4 18.4,21.7 18.2,21.7 18.2,22.8 19,23.6

## Silkscreen, mask and mechanical layers (free items; w line width, h text height)
Top Overlay:
  lines w0.254: 39.85,17.15 40.55,16.55 ; 39.9,16.5 40.5,17.2 ; 41.8,18.65 42.4,19.35
  text "3V3" at 39.5,44.2 h1.02 r43
  text "GND" at 40.7,42.5 h1.02 r43
  text "TX" at 42.8,41.6 h1.02 r43
  text "RX" at 44.2,40.3 h1.02 r43
  text "RST" at 15.239,33.2 h1.02
  text "CS" at 15.239,31.95 h1.02
  text "DC" at 15.239,30.7 h1.02
  text "SDA" at 15.239,29.45 h1.02
  text "SCL" at 15.239,28.2 h1.02
  text "NODE SENSOR" at 18.986,28 h2.54
  text "GND" at 15.239,26.95 h1.02
  text "VCC" at 15.2,25.7 h1.02
Bottom Overlay:
  text "RX" at 40.7,45.3 h1.02 r43
  text "TX" at 42.2,43.9 h1.02 r43
  text "GND" at 43.7,42.4 h1.02 r43
  text "3V3" at 45.1,41.1 h1.02 r43
  text "AIOT-PTIT" at 31.776,17.6 h2.03